# KiCad board panel.kicad_pcb (continued)
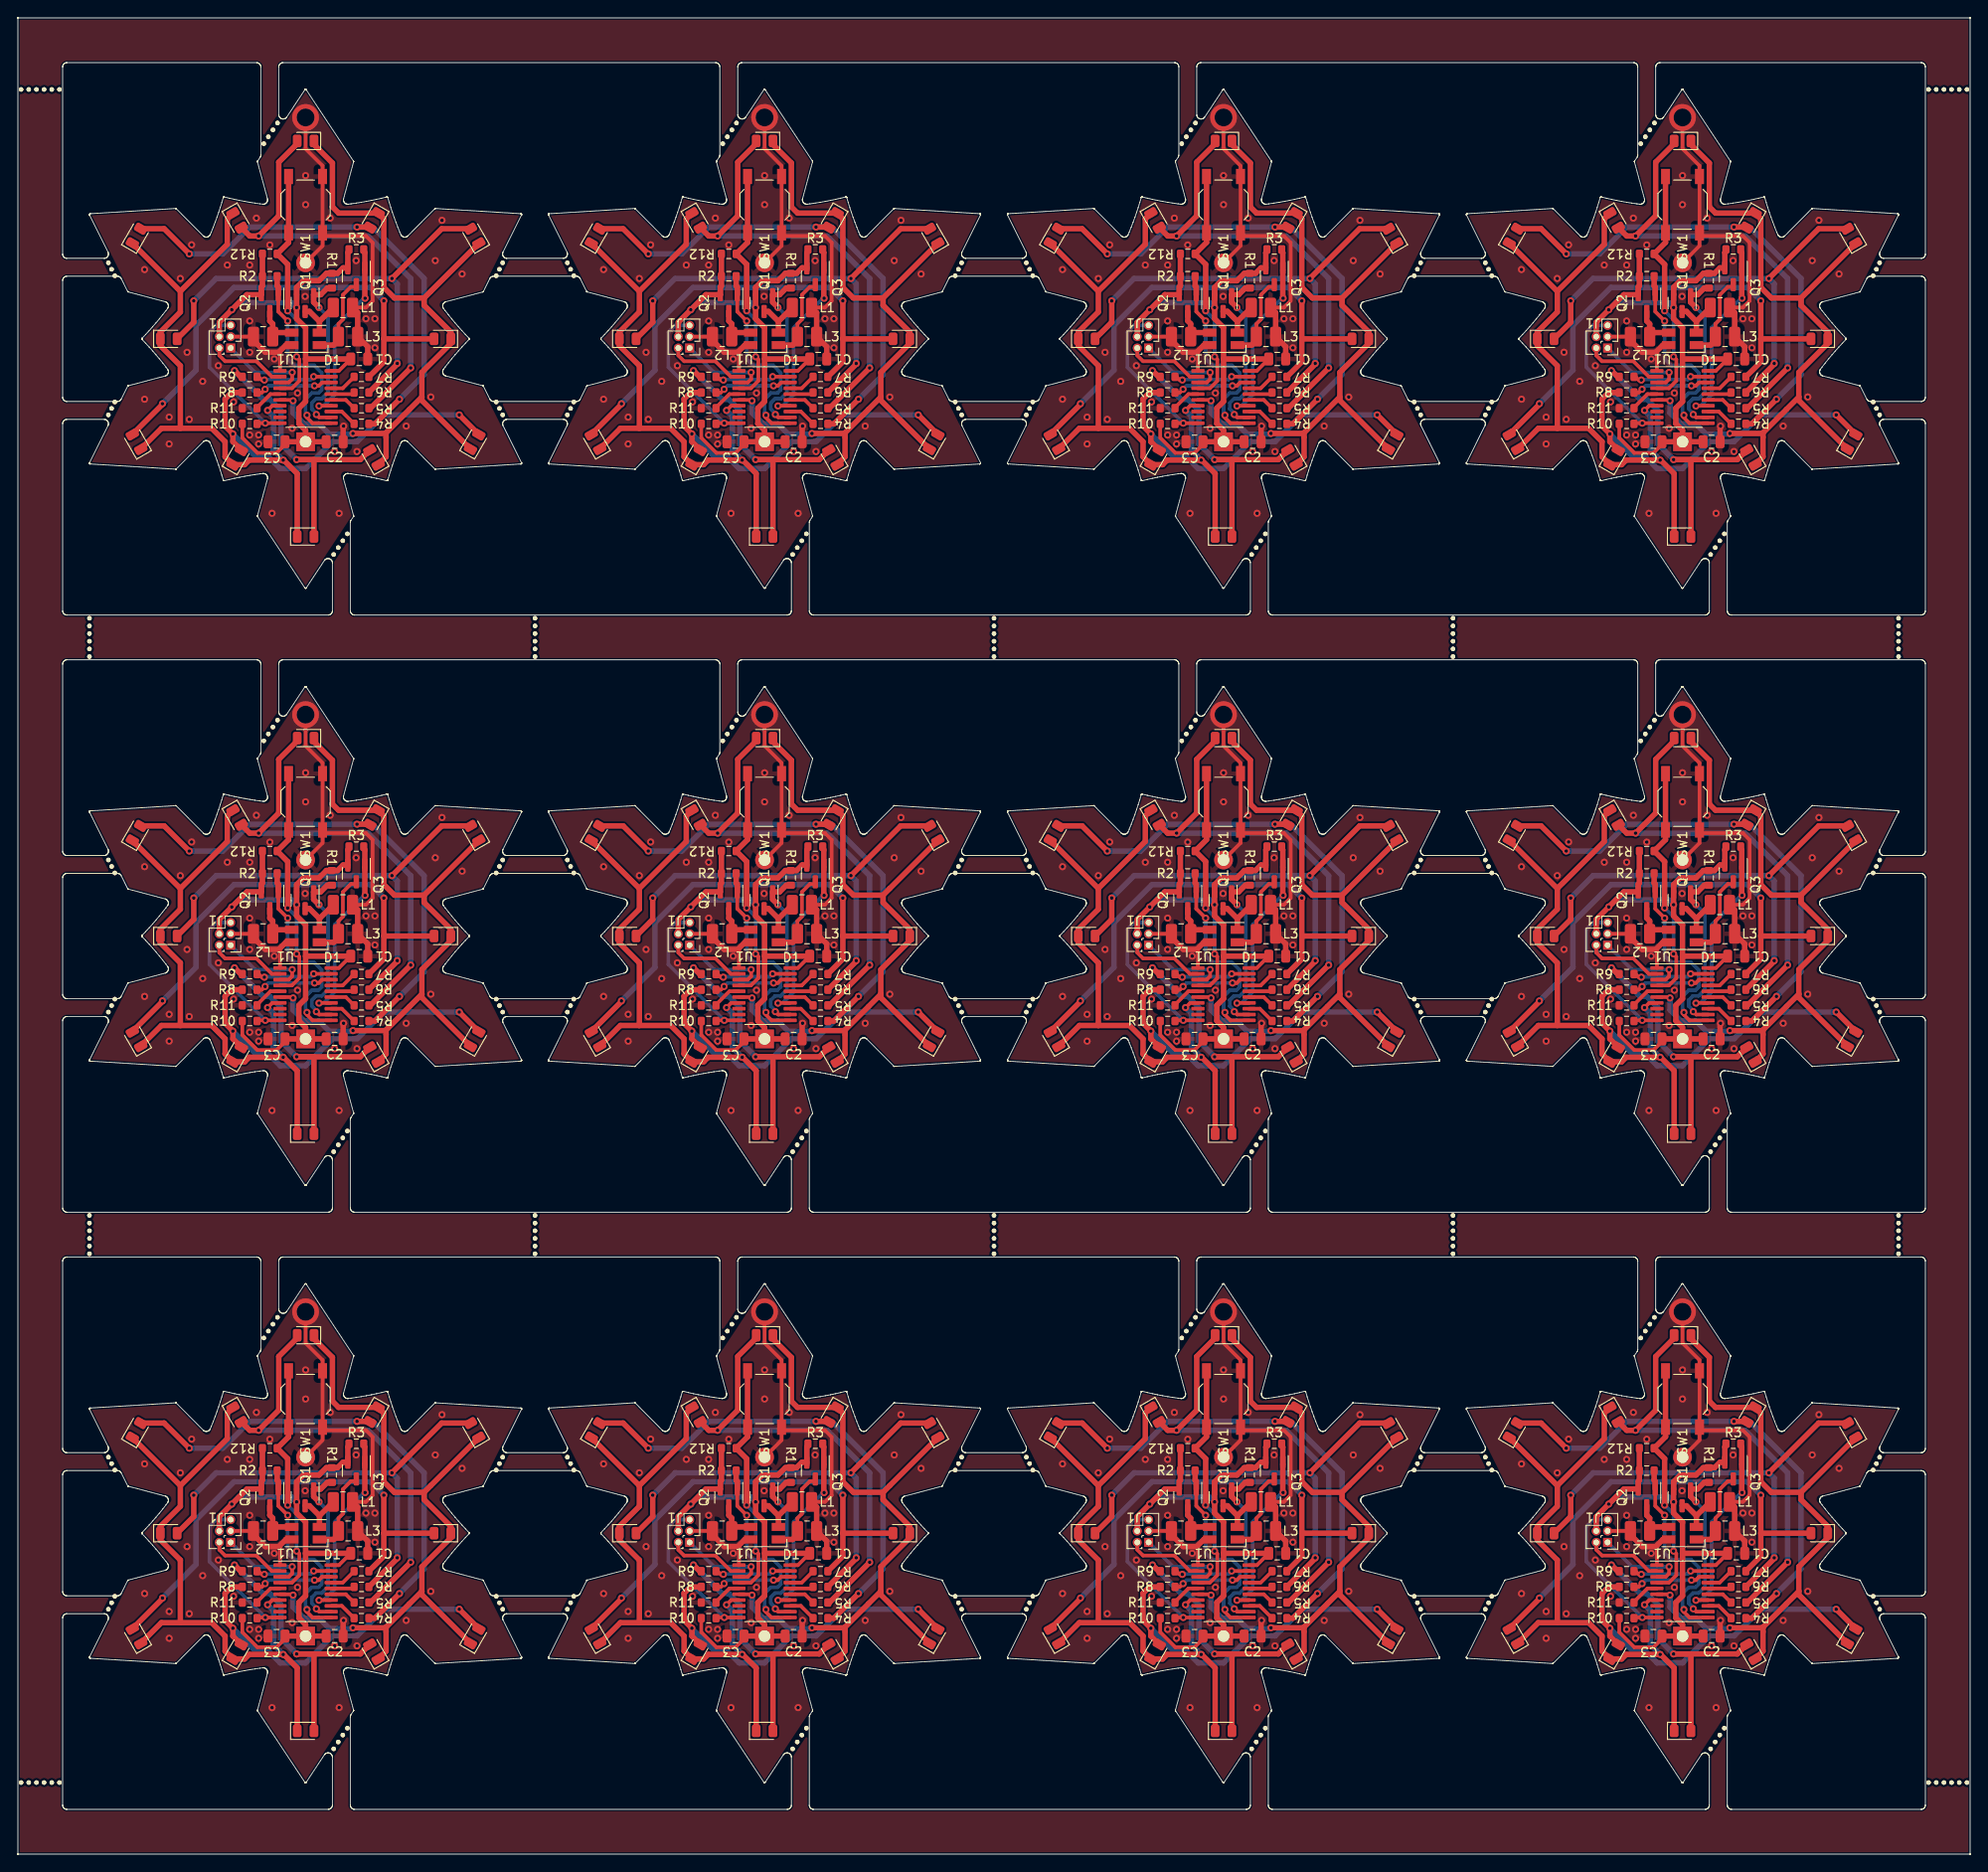
[diagram p0: board, top side]
## Nets (continued)
Board_6-/MPX1: D3#9.1 D5.1 D7#5.1 D9#6.1 D11#5.1 D13#6.1 U1#11.6
Board_6-/MPX2: D2.1 D4#11.1 D6#9.1 D8#2.1 D10#2.1 D12#4.1 U1#11.7
Board_6-/nRST: J1#9.5 R10#10.2 U1#11.10
Board_6-/R: Q2#11.1 R2#2.2 U1#11.11
Board_6-/SWC: J1#9.1 U1#11.3
Board_6-/SWD: J1#9.2 U1#11.2
Board_6-GND: BT1#5.2 C1#11.1 C2#10.2 C3#12.2 D1#5.1 J1#9.3 L1.2 L2.2 L3#9.2 R11#2.1 SW1#4.2 U1#11.1
Board_6-Net-(D1-BK): D1#5.4 L1.1 Q1#11.3
Board_6-Net-(D1-GK): D1#5.3 L3#9.1 Q3#5.3
Board_6-Net-(D1-RK): D1#5.2 L2.1 Q2#11.3
Board_6-Net-(D2-A): D2.2 D3#9.2 R4#11.1
Board_6-Net-(D4-A): D4#11.2 D5.2 R5#5.1
Board_6-Net-(D6-A): D6#9.2 D7#5.2 R6#7.1
Board_6-Net-(D8-A): D8#2.2 D9#6.2 R7#3.1
Board_6-Net-(D10-A): D10#2.2 D11#5.2 R8.1
Board_6-Net-(D12-A): D12#4.2 D13#6.2 R9#7.1
Board_6-Net-(SW1A-A): R12#7.1 SW1#4.1 U1#11.4
Board_6-Net-(U1-PB6/PF4-BOOT0): R11#2.2 U1#11.5
Board_6-unconnected-(U1-PF0-OSCIN-Pad8): U1#11.8
Board_6-unconnected-(U1-PF1-OSCOUT-Pad9): U1#11.9
Board_6-VCC: BT1#5.1 C1#11.2 C2#10.1 C3#12.1 J1#9.4 Q1#11.2 Q2#11.2 Q3#5.2 R1#6.1 R2#2.1 R3#4.1 R10#10.1 R12#7.2 U1#11.20
Board_7-/B: Q1#12.1 R1#5.2 U1#3.12
Board_7-/G: Q3#4.1 R3#11.2 U1#3.14
Board_7-/L1: R4#12.2 U1#3.13
Board_7-/L2: R5#9.2 U1#3.15
Board_7-/L3: R6#12.2 U1#3.16
Board_7-/L4: R7#10.2 U1#3.17
Board_7-/L5: R8#8.2 U1#3.18
Board_7-/L6: R9#6.2 U1#3.19
Board_7-/MPX1: D3.1 D5#4.1 D7#12.1 D9#4.1 D11#11.1 D13#4.1 U1#3.6
Board_7-/MPX2: D2#4.1 D4#9.1 D6#10.1 D8#5.1 D10#5.1 D12#3.1 U1#3.7
Board_7-/nRST: J1#2.5 R10#9.2 U1#3.10
Board_7-/R: Q2#4.1 R2#4.2 U1#3.11
Board_7-/SWC: J1#2.1 U1#3.3
Board_7-/SWD: J1#2.2 U1#3.2
Board_7-GND: BT1#3.2 C1.1 C2#5.2 C3#3.2 D1#10.1 J1#2.3 L1#6.2 L2#6.2 L3.2 R11#8.1 SW1.2 U1#3.1
Board_7-Net-(D1-BK): D1#10.4 L1#6.1 Q1#12.3
Board_7-Net-(D1-GK): D1#10.3 L3.1 Q3#4.3
Board_7-Net-(D1-RK): D1#10.2 L2#6.1 Q2#4.3
Board_7-Net-(D2-A): D2#4.2 D3.2 R4#12.1
Board_7-Net-(D4-A): D4#9.2 D5#4.2 R5#9.1
Board_7-Net-(D6-A): D6#10.2 D7#12.2 R6#12.1
Board_7-Net-(D8-A): D8#5.2 D9#4.2 R7#10.1
Board_7-Net-(D10-A): D10#5.2 D11#11.2 R8#8.1
Board_7-Net-(D12-A): D12#3.2 D13#4.2 R9#6.1
Board_7-Net-(SW1A-A): R12#8.1 SW1.1 U1#3.4
Board_7-Net-(U1-PB6/PF4-BOOT0): R11#8.2 U1#3.5
Board_7-unconnected-(U1-PF0-OSCIN-Pad8): U1#3.8
Board_7-unconnected-(U1-PF1-OSCOUT-Pad9): U1#3.9
Board_7-VCC: BT1#3.1 C1.2 C2#5.1 C3#3.1 J1#2.4 Q1#12.2 Q2#4.2 Q3#4.2 R1#5.1 R2#4.1 R3#11.1 R10#9.1 R12#8.2 U1#3.20
Board_8-/B: Q1#7.1 R1#8.2 U1.12
Board_8-/G: Q3#8.1 R3#3.2 U1.14
Board_8-/L1: R4#10.2 U1.13
Board_8-/L2: R5#3.2 U1.15
Board_8-/L3: R6#8.2 U1.16
Board_8-/L4: R7#8.2 U1.17
Board_8-/L5: R8#10.2 U1.18
Board_8-/L6: R9#5.2 U1.19
Board_8-/MPX1: D3#12.1 D5#12.1 D7#2.1 D9.1 D11#6.1 D13#7.1 U1.6
Board_8-/MPX2: D2#11.1 D4#2.1 D6#8.1 D8#8.1 D10#11.1 D12#2.1 U1.7
Board_8-/nRST: J1#8.5 R10.2 U1.10
Board_8-/R: Q2#6.1 R2#12.2 U1.11
Board_8-/SWC: J1#8.1 U1.3
Board_8-/SWD: J1#8.2 U1.2
Board_8-GND: BT1#10.2 C1#8.1 C2#4.2 C3#8.2 D1.1 J1#8.3 L1#11.2 L2#8.2 L3#11.2 R11#6.1 SW1#9.2 U1.1
Board_8-Net-(D1-BK): D1.4 L1#11.1 Q1#7.3
Board_8-Net-(D1-GK): D1.3 L3#11.1 Q3#8.3
Board_8-Net-(D1-RK): D1.2 L2#8.1 Q2#6.3
Board_8-Net-(D2-A): D2#11.2 D3#12.2 R4#10.1
Board_8-Net-(D4-A): D4#2.2 D5#12.2 R5#3.1
Board_8-Net-(D6-A): D6#8.2 D7#2.2 R6#8.1
Board_8-Net-(D8-A): D8#8.2 D9.2 R7#8.1
Board_8-Net-(D10-A): D10#11.2 D11#6.2 R8#10.1
Board_8-Net-(D12-A): D12#2.2 D13#7.2 R9#5.1
Board_8-Net-(SW1A-A): R12#5.1 SW1#9.1 U1.4
Board_8-Net-(U1-PB6/PF4-BOOT0): R11#6.2 U1.5
Board_8-unconnected-(U1-PF0-OSCIN-Pad8): U1.8
Board_8-unconnected-(U1-PF1-OSCOUT-Pad9): U1.9
Board_8-VCC: BT1#10.1 C1#8.2 C2#4.1 C3#8.1 J1#8.4 Q1#7.2 Q2#6.2 Q3#8.2 R1#8.1 R2#12.1 R3#3.1 R10.1 R12#5.2 U1.20
Board_9-/B: Q1#5.1 R1#12.2 U1#8.12
Board_9-/G: Q3#2.1 R3.2 U1#8.14
Board_9-/L1: R4#2.2 U1#8.13
Board_9-/L2: R5#7.2 U1#8.15
Board_9-/L3: R6#11.2 U1#8.16
Board_9-/L4: R7#12.2 U1#8.17
Board_9-/L5: R8#6.2 U1#8.18
Board_9-/L6: R9#4.2 U1#8.19
Board_9-/MPX1: D3#2.1 D5#2.1 D7#3.1 D9#11.1 D11#12.1 D13#9.1 U1#8.6
Board_9-/MPX2: D2#12.1 D4#12.1 D6#3.1 D8#12.1 D10#8.1 D12.1 U1#8.7
Board_9-/nRST: J1.5 R10#2.2 U1#8.10
Board_9-/R: Q2#10.1 R2#8.2 U1#8.11
Board_9-/SWC: J1.1 U1#8.3
Board_9-/SWD: J1.2 U1#8.2
Board_9-GND: BT1.2 C1#3.1 C2#9.2 C3#4.2 D1#9.1 J1.3 L1#9.2 L2#9.2 L3#4.2 R11#10.1 SW1#12.2 U1#8.1
Board_9-Net-(D1-BK): D1#9.4 L1#9.1 Q1#5.3
Board_9-Net-(D1-GK): D1#9.3 L3#4.1 Q3#2.3
Board_9-Net-(D1-RK): D1#9.2 L2#9.1 Q2#10.3
Board_9-Net-(D2-A): D2#12.2 D3#2.2 R4#2.1
Board_9-Net-(D4-A): D4#12.2 D5#2.2 R5#7.1
Board_9-Net-(D6-A): D6#3.2 D7#3.2 R6#11.1
Board_9-Net-(D8-A): D8#12.2 D9#11.2 R7#12.1
Board_9-Net-(D10-A): D10#8.2 D11#12.2 R8#6.1
Board_9-Net-(D12-A): D12.2 D13#9.2 R9#4.1
Board_9-Net-(SW1A-A): R12#9.1 SW1#12.1 U1#8.4
Board_9-Net-(U1-PB6/PF4-BOOT0): R11#10.2 U1#8.5
Board_9-unconnected-(U1-PF0-OSCIN-Pad8): U1#8.8
Board_9-unconnected-(U1-PF1-OSCOUT-Pad9): U1#8.9
Board_9-VCC: BT1.1 C1#3.2 C2#9.1 C3#4.1 J1.4 Q1#5.2 Q2#10.2 Q3#2.2 R1#12.1 R2#8.1 R3.1 R10#2.1 R12#9.2 U1#8.20
Board_10-/B: Q1#6.1 R1#10.2 U1#10.12
Board_10-/G: Q3#9.1 R3#5.2 U1#10.14
Board_10-/L1: R4#7.2 U1#10.13
Board_10-/L2: R5.2 U1#10.15
Board_10-/L3: R6#3.2 U1#10.16
Board_10-/L4: R7#2.2 U1#10.17
Board_10-/L5: R8#3.2 U1#10.18
Board_10-/L6: R9#12.2 U1#10.19
Board_10-/MPX1: D3#11.1 D5#3.1 D7#8.1 D9#12.1 D11#2.1 D13#10.1 U1#10.6
Board_10-/MPX2: D2#2.1 D4#4.1 D6#12.1 D8#6.1 D10.1 D12#6.1 U1#10.7
Board_10-/nRST: J1#10.5 R10#3.2 U1#10.10
Board_10-/R: Q2#5.1 R2#10.2 U1#10.11
Board_10-/SWC: J1#10.1 U1#10.3
Board_10-/SWD: J1#10.2 U1#10.2
Board_10-GND: BT1#2.2 C1#10.1 C2#8.2 C3.2 D1#3.1 J1#10.3 L1#7.2 L2#4.2 L3#12.2 R11#11.1 SW1#8.2 U1#10.1
Board_10-Net-(D1-BK): D1#3.4 L1#7.1 Q1#6.3
Board_10-Net-(D1-GK): D1#3.3 L3#12.1 Q3#9.3
Board_10-Net-(D1-RK): D1#3.2 L2#4.1 Q2#5.3
Board_10-Net-(D2-A): D2#2.2 D3#11.2 R4#7.1
Board_10-Net-(D4-A): D4#4.2 D5#3.2 R5.1
Board_10-Net-(D6-A): D6#12.2 D7#8.2 R6#3.1
Board_10-Net-(D8-A): D8#6.2 D9#12.2 R7#2.1
Board_10-Net-(D10-A): D10.2 D11#2.2 R8#3.1
Board_10-Net-(D12-A): D12#6.2 D13#10.2 R9#12.1
Board_10-Net-(SW1A-A): R12#11.1 SW1#8.1 U1#10.4
Board_10-Net-(U1-PB6/PF4-BOOT0): R11#11.2 U1#10.5
Board_10-unconnected-(U1-PF0-OSCIN-Pad8): U1#10.8
Board_10-unconnected-(U1-PF1-OSCOUT-Pad9): U1#10.9
Board_10-VCC: BT1#2.1 C1#10.2 C2#8.1 C3.1 J1#10.4 Q1#6.2 Q2#5.2 Q3#9.2 R1#10.1 R2#10.1 R3#5.1 R10#3.1 R12#11.2 U1#10.20
Board_11-/B: Q1.1 R1#9.2 U1#4.12
Board_11-/G: Q3#12.1 R3#2.2 U1#4.14
Board_11-/L1: R4#4.2 U1#4.13
Board_11-/L2: R5#2.2 U1#4.15
Board_11-/L3: R6#6.2 U1#4.16
Board_11-/L4: R7#6.2 U1#4.17
Board_11-/L5: R8#2.2 U1#4.18
Board_11-/L6: R9#3.2 U1#4.19
Board_11-/MPX1: D3#10.1 D5#11.1 D7#7.1 D9#7.1 D11#9.1 D13.1 U1#4.6
Board_11-/MPX2: D2#10.1 D4#8.1 D6#2.1 D8.1 D10#9.1 D12#12.1 U1#4.7
Board_11-/nRST: J1#7.5 R10#5.2 U1#4.10
Board_11-/R: Q2#7.1 R2#7.2 U1#4.11
Board_11-/SWC: J1#7.1 U1#4.3
Board_11-/SWD: J1#7.2 U1#4.2
Board_11-GND: BT1#9.2 C1#9.1 C2#12.2 C3#7.2 D1#4.1 J1#7.3 L1#10.2 L2#7.2 L3#8.2 R11#12.1 SW1#11.2 U1#4.1
Board_11-Net-(D1-BK): D1#4.4 L1#10.1 Q1.3
Board_11-Net-(D1-GK): D1#4.3 L3#8.1 Q3#12.3
Board_11-Net-(D1-RK): D1#4.2 L2#7.1 Q2#7.3
Board_11-Net-(D2-A): D2#10.2 D3#10.2 R4#4.1
Board_11-Net-(D4-A): D4#8.2 D5#11.2 R5#2.1
Board_11-Net-(D6-A): D6#2.2 D7#7.2 R6#6.1
Board_11-Net-(D8-A): D8.2 D9#7.2 R7#6.1
Board_11-Net-(D10-A): D10#9.2 D11#9.2 R8#2.1
Board_11-Net-(D12-A): D12#12.2 D13.2 R9#3.1
Board_11-Net-(SW1A-A): R12.1 SW1#11.1 U1#4.4
Board_11-Net-(U1-PB6/PF4-BOOT0): R11#12.2 U1#4.5
Board_11-unconnected-(U1-PF0-OSCIN-Pad8): U1#4.8
Board_11-unconnected-(U1-PF1-OSCOUT-Pad9): U1#4.9
Board_11-VCC: BT1#9.1 C1#9.2 C2#12.1 C3#7.1 J1#7.4 Q1.2 Q2#7.2 Q3#12.2 R1#9.1 R2#7.1 R3#2.1 R10#5.1 R12.2 U1#4.20

## Via types
v1: diameter 0.8, hole 0.4, Top to Bottom, 900 vias
v2: diameter 3, hole 2, Top to Bottom, 12 vias

## Routing (per net, layer and track width the routed paths; a pad name or vN(x,y) marks a point on that pad's centre or on a via; arc(x,y) is an arc through that point)
Board_0-/B: length 19.5
  Top w0.406: U1#6.12 33.69,160.61 v1(33.37,160.93)
  Top w0.61: v1(33.66,172.89) 33.06,173.49 Q1#2.1 33.85,174.32 34.59,175.06 R1#4.2
  Bottom w0.406: v1(33.37,160.93) 33.37,161.04 32.86,161.55 32.86,162.22 33.33,162.69 33.97,162.69 34.66,163.39 34.66,171.89 v1(33.66,172.89)
Board_0-/G: length 21.3
  Top w0.406: U1#6.14 33.69,161.91 v1(33.66,161.89) ; 38.72,177.14 38.79,177.07
  Top w0.61: v1(38.82,173.93) 38.79,173.96 38.79,179.01 38.66,179.14
  Bottom w0.406: v1(33.66,161.89) 34.16,161.89 35.41,163.14 35.41,170.64 38.7,173.93 v1(38.82,173.93)
Board_0-/L1: length 3.1
  Top w0.406: R4#5.2 36.21,161.26 U1#6.13
Board_0-/L2: length 2.9
  Top w0.406: U1#6.15 36.66,162.56 R5#11.2
Board_0-/L3: length 2.6
  Top w0.406: R6#4.2 37.41,163.21 U1#6.16
Board_0-/L4: length 3.1
  Top w0.406: R7#11.2 36.31,163.86 U1#6.17
Board_0-/L5: length 8.8
  Top w0.406: v1(33.16,164.14) 33.64,164.14 34.01,164.51 U1#6.18 ; v1(27.64,163.75) 27.28,163.39 R8#12.2
  Bottom w0.406: v1(27.64,163.75) 28.03,164.14 v1(33.16,164.14)
Board_0-/L6: length 8.6
  Top w0.406: R9.2 26.91,165.14 27.26,164.78 v1(27.55,164.78) ; v1(33.07,165.16) U1#6.19
  Bottom w0.406: v1(33.07,165.16) 32.74,164.83 27.6,164.83 v1(27.55,164.78)
Board_0-/MPX1: length 81.4
  Top w0.406: v1(30.76,162.47) 30.67,162.56 U1#6.6
  Top w0.61: D13#2.1 41.16,156.2 41.16,158.89 ; 41.16,158.89 45.16,162.89 ; 41.16,158.89 41.09,158.81 v1(37.46,158.81) ; 45.41,173.95 D7#6.1 ; 45.41,173.95 42.09,173.95 40.91,175.14 40.91,182.82 D3#5.1 35.85,183.45 35.16,184.14 35.16,189.04 33.1,191.1 D5#8.1 ; 45.41,173.95 45.41,173.14 48.4,170.15 D9#10.1 48.4,168.87 45.16,165.64 45.16,162.89 ; D11#4.1 45.16,162.5 45.16,162.89
  Bottom w0.61: v1(30.76,162.47) 30.76,161.12 32,159.89 33.66,159.89 34.82,158.73 37.38,158.73 v1(37.46,158.81)
Board_0-/MPX2: length 72.8
  Top w0.406: U1#6.7 28.44,161.91 v1(27.91,161.39)
  Top w0.61: 18.16,174.7 23.41,179.95 23.41,182.82 D4#6.1 ; 18.16,174.7 18.16,172.39 15.92,170.15 D6#4.1 15.92,168.62 18.16,166.39 18.16,159.39 ; 18.16,174.7 D2#7.1 ; D8#10.1 16.04,159.39 18.16,159.39 ; 18.16,159.39 21.66,159.39 23.16,157.89 23.16,156.2 D10#4.1 25.35,155.32 25.86,155.83 v1(29.66,155.83) 29.71,155.83 31.22,154.32 D12#9.1
  Bottom w0.61: v1(29.66,155.83) 28.57,156.93 28.57,160.73 v1(27.91,161.39)
Board_0-/nRST: length 18
  Top w0.406: U1#6.10 26.81,159.96 R10#6.2
  Bottom w0.406: v1(27.66,159.96) 21.41,166.21 21.41,170.14 22.18,170.9 J1#12.5
Board_0-/R: length 23.4
  Top w0.406: U1#6.11 32.94,159.96 32.32,160.58 v1(32.32,160.85) ; Q2#2.1 29.11,172.44 v1(30.16,171.39)
  Top w0.61: Q2#2.1 29.11,175.19 28.99,175.31 R2#3.2
  Bottom w0.406: v1(30.16,171.39) 30.16,167.14 30.86,166.44 33.11,166.44 33.97,165.58 33.97,163.69 33.61,163.33 32.86,163.33 32.16,162.64 32.16,161.16 32.32,161.01 v1(32.32,160.85)
Board_0-/SWC: length 10.3
  Top w0.406: U1#6.3 30.29,164.51 30.66,164.89 v1(30.66,165.64)
  Bottom w0.406: v1(30.66,165.64) 26.51,165.64 J1#12.1
Board_0-/SWD: length 8.6
  Top w0.406: J1#12.2 22.52,167.53 23.16,166.89 26.66,166.89 28.39,165.16 U1#6.2
Board_0-GND: length 51.4
  Top w0.406: L2#5.2 26.33,169.63 J1#12.3 ; BT1#8.2 34.06,179.79 SW1#2.2 ; v2(32.16,194.14) 32.16,190.64 34.06,188.74 SW1#2.2 SW1#2.2 ; SW1#2.2 34.41,180.89 38.91,180.89 39.66,180.14 39.66,173.64 38.91,172.89 L1#8.2 ; 29.16,167.89 29.3,167.75 U1#6.1
  Top w0.61: D1#7.1 29.96,168.69 29.16,167.89 27.66,167.89 26.34,169.21 L2#5.2 ; C1#6.1 39.11,168.51 L3#5.2 37.99,172.31 L1#8.2 ; v1(36.41,159.64) 36.36,159.59 C2#11.2
  vias: v1(14.16,177.14) v1(14.16,162.64) v1(16.91,160.64) v1(16.91,157.64) v1(18.16,176.14) v1(18.91,167.89) v1(19.16,160.39) v1(19.43,179.9) v1(20.66,164.64) v1(22.41,166.39) v1(23.41,177.64) v1(24.11,162.34) v1(25.91,177.64) v1(25.91,171.39) v1(25.91,167.89) v1(25.91,158.64) v1(26.66,182.89) v1(26.91,158.64) v1(26.91,157.64) v1(28.16,179.89) v1(28.41,149.89) v1(28.66,167.14) v1(30.66,159.39) v1(31.26,163.33) v1(32.16,187.64) v1(32.16,184.39) v1(32.11,174.14) v1(34.91,182.89) v1(35.41,156.79) v1(35.91,149.89) v1(37.81,178.14) v1(37.91,156.79) v1(38.91,171.64) v1(39.91,171.64) v1(39.91,168.39) v1(43.41,159.64) v1(46.16,162.89) v1(46.66,178.14) v1(47.41,182.64) v1(49.66,176.64)
Board_0-Net-(D1-BK): length 5.5
  Top w0.61: D1#7.4 33.71,171.34 ; 33.71,171.34 L1#8.1 ; 33.71,171.34 32.6,172.45 Q1#2.3
Board_0-Net-(D1-GK): length 9.5
  Top w0.406: 37.84,175.2 37.22,175.2 36.34,174.31 36.34,171.56 35.84,171.06 L3#5.1
  Top w0.61: D1#7.3 35.3,168.69 35.84,169.22 L3#5.1
Board_0-Net-(D1-RK): length 5.3
  Top w0.61: D1#7.2 28.94,170.09 L2#5.1 28.49,171.06 28.16,171.39 Q2#2.3
Board_0-Net-(D2-A): length 57
  Top w0.61: v1(37.91,181.89) 39.28,181.89 D3#5.2 ; R4#5.1 39.91,159.89 v1(42.66,162.64) ; D2#7.2 16.35,181.7 v1(19.16,178.89)
  Bottom w0.61: v1(19.16,178.89) 22.91,178.89 25.91,181.89 v1(37.91,181.89) 39.66,181.89 45.41,176.14 45.41,165.39 42.72,162.69
Board_0-Net-(D4-A): length 50.2
  Top w0.61: R5#11.1 39.41,161.64 v1(43.91,166.14) ; D5#8.2 31.22,191.2 29.16,189.14 29.16,183.14 v1(26.91,180.89) 25.92,180.89 D4#6.2
  Bottom w0.61: v1(43.91,166.14) 43.91,176.14 39.16,180.89 v1(26.91,180.89)
Board_0-Net-(D6-A): length 53.6
  Top w0.61: R6#4.1 42.41,166.56 v1(42.41,166.64) ; D7#6.2 47.38,181.7 v1(41.82,176.14) ; D6#4.2 19.66,171.25 v1(19.66,173.64)
  Bottom w0.61: v1(19.66,173.64) 22.16,176.14 v1(41.82,176.14) 42.41,175.54 v1(42.41,166.64)
Board_0-Net-(D8-A): length 53.3
  Top w0.61: D8#10.2 16.16,162.07 ; 40.91,169.39 40.91,166.81 R7#11.1 ; 40.91,169.39 D9#10.2 ; 40.91,169.39 v1(40.91,173.64)
  Bottom w0.61: v1(16.16,162.14) 19.91,165.89 19.91,170.89 24.16,175.14 39.41,175.14 v1(40.91,173.64)
Board_0-Net-(D10-A): length 41.2
  Top w0.61: v1(49.34,160.89) D11#4.2 ; D10#4.2 24.04,157.89 v1(24.04,158.76) 23.16,159.64 23.16,162.67 23.88,163.39 R8#12.1
  Bottom w0.61: v1(24.04,158.76) 26.66,156.14 28.08,156.14 29.33,154.89 32.16,154.89 35.18,157.91 37.93,157.91 40.91,160.89 v1(49.34,160.89)
Board_0-Net-(D12-A): length 33.6
  Top w0.61: D12#9.2 33.1,155.89 v1(31.16,155.89) 38.28,155.89 D13#2.2 ; R9.1 24.91,165.14 v1(24.21,165.84)
  Bottom w0.61: v1(24.21,165.84) 27.41,162.64 28.16,162.64 29.41,161.39 29.41,157.64 v1(31.16,155.89)
Board_0-Net-(SW1A-A): length 26.9
  Top w0.406: U1#6.4 30.64,163.86 31.47,164.69 31.47,167.08 v1(31.16,167.39)
  Top w0.61: SW1#2.1 SW1#2.1 30.26,180.16 R12#4.1 30.16,177.71 v1(30.16,172.52)
  Bottom w0.406: v1(30.16,172.52) 31.16,171.52 v1(31.16,167.39)
Board_0-Net-(U1-PB6/PF4-BOOT0): length 3.3
  Top w0.406: U1#6.5 28.24,163.21 26.74,161.71 R11#3.2
Board_0-VCC: length 67.1
  Top w0.406: R10#6.1 25.09,158.32 26.78,156.64 28.91,156.64 29.86,157.59 C3#5.1 ; C1#6.2 35.89,165.81 U1#6.20
  Top w0.61: R12#4.2 R2#3.1 27.34,175.31 27.21,175.19 Q2#2.2 25.6,174.32 22.52,171.24 J1#12.4 ; BT1#8.1 32.16,159.17 31.41,159.92 31.41,161.64 32.16,162.39 32.16,167.14 ; BT1#8.1 C2#11.1 ; BT1#8.1 C3#5.1 ; 37.01,179.14 36.89,179.01 36.89,177.07 ; 32.16,167.14 32.16,170.64 31.16,171.64 Q1#2.2 31.16,175.14 31.91,175.89 33.66,175.89 34.49,176.71 R1#4.1 35.74,176.71 36.35,177.32 Q3.2 ; 32.16,167.14 C1#6.2
  Bottom w0.61: v1(23.91,172.64) 24.7,173.43 30.62,173.43 v1(31.16,172.89)
Board_1-/B: length 19.5
  Top w0.406: U1#7.12 85,160.61 v1(84.68,160.93)
  Top w0.61: v1(84.97,172.89) 84.37,173.49 Q1#8.1 85.16,174.32 85.9,175.06 R1#7.2
  Bottom w0.406: v1(84.68,160.93) 84.68,161.04 84.17,161.55 84.17,162.22 84.64,162.69 85.28,162.69 85.97,163.39 85.97,171.89 v1(84.97,172.89)
Board_1-/G: length 21.3
  Top w0.406: v1(84.97,161.89) 85,161.91 U1#7.14 ; 90.04,177.14 90.1,177.07
  Top w0.61: 89.97,179.14 90.1,179.01 90.1,173.96 v1(90.13,173.93)
  Bottom w0.406: v1(90.13,173.93) 90.02,173.93 86.72,170.64 86.72,163.14 85.47,161.89 v1(84.97,161.89)
Board_1-/L1: length 3.1
  Top w0.406: R4#8.2 87.52,161.26 U1#7.13
Board_1-/L2: length 2.9
  Top w0.406: U1#7.15 87.97,162.56 R5#10.2
Board_1-/L3: length 2.6
  Top w0.406: R6#2.2 88.72,163.21 U1#7.16
Board_1-/L4: length 3.1
  Top w0.406: R7#4.2 87.62,163.86 U1#7.17
Board_1-/L5: length 8.8
  Top w0.406: v1(78.95,163.75) 78.59,163.39 R8#9.2 ; U1#7.18 85.32,164.51 84.95,164.14 v1(84.47,164.14)
  Bottom w0.406: v1(78.95,163.75) 79.34,164.14 v1(84.47,164.14)
Board_1-/L6: length 8.6
  Top w0.406: R9#2.2 78.22,165.14 78.58,164.78 v1(78.87,164.78) ; v1(84.38,165.16) U1#7.19
  Bottom w0.406: v1(84.38,165.16) 84.05,164.83 78.91,164.83 v1(78.87,164.78)
Board_1-/MPX1: length 81.4
  Top w0.406: U1#7.6 81.98,162.56 v1(82.07,162.47)
  Top w0.61: 96.47,162.89 92.47,158.89 ; 96.47,162.89 96.47,162.5 D11#3.1 ; 96.47,162.89 96.47,165.64 99.71,168.87 D9#3.1 99.71,170.15 96.72,173.14 96.72,173.95 ; D7.1 96.72,173.95 ; D13#11.1 92.47,156.2 92.47,158.89 ; 96.72,173.95 93.4,173.95 92.22,175.14 92.22,182.82 D3#4.1 87.16,183.45 86.47,184.14 86.47,189.04 84.41,191.1 D5#5.1 ; 92.47,158.89 92.4,158.81 v1(88.77,158.81)
  Bottom w0.61: v1(82.07,162.47) 82.07,161.12 83.31,159.89 84.97,159.89 86.13,158.73 88.69,158.73 v1(88.77,158.81)
Board_1-/MPX2: length 72.8
  Top w0.406: v1(79.22,161.39) 79.75,161.91 U1#7.7
  Top w0.61: 69.47,159.39 67.35,159.39 D8#3.1 ; 69.47,159.39 72.97,159.39 74.47,157.89 74.47,156.2 D10#10.1 76.66,155.32 77.17,155.83 v1(80.97,155.83) 81.03,155.83 82.54,154.32 D12#11.1 ; 69.47,159.39 69.47,166.39 67.24,168.62 D6#6.1 67.24,170.15 69.47,172.39 69.47,174.7 ; 69.47,174.7 74.72,179.95 74.72,182.82 D4#5.1 ; 69.47,174.7 D2#6.1
  Bottom w0.61: v1(80.97,155.83) 79.88,156.93 79.88,160.73 v1(79.22,161.39)
Board_1-/nRST: length 18
  Top w0.406: R10#12.2 78.12,159.96 U1#7.10
  Bottom w0.406: v1(78.97,159.96) 72.72,166.21 72.72,170.14 73.49,170.9 J1#6.5
Board_1-/R: length 23.4
  Top w0.406: U1#7.11 84.25,159.96 83.63,160.58 v1(83.63,160.85) ; Q2.1 80.42,172.44 v1(81.47,171.39)
  Top w0.61: Q2.1 80.42,175.19 80.3,175.31 R2.2
  Bottom w0.406: v1(81.47,171.39) 81.47,167.14 82.17,166.44 84.42,166.44 85.28,165.58 85.28,163.69 84.92,163.33 84.17,163.33 83.47,162.64 83.47,161.16 83.63,161.01 v1(83.63,160.85)
Board_1-/SWC: length 10.3
  Top w0.406: U1#7.3 81.6,164.51 81.97,164.89 v1(81.97,165.64)
  Bottom w0.406: J1#6.1 77.82,165.64 v1(81.97,165.64)
Board_1-/SWD: length 8.6
  Top w0.406: J1#6.2 73.83,167.53 74.47,166.89 77.97,166.89 79.7,165.16 U1#7.2
Board_1-GND: length 51.4
  Top w0.406: L2#2.2 77.64,169.63 J1#6.3 ; SW1#7.2 SW1#7.2 85.37,188.74 83.47,190.64 v2(83.47,194.14) ; SW1#7.2 85.72,180.89 90.22,180.89 90.97,180.14 90.97,173.64 90.22,172.89 L1#12.2 ; SW1#7.2 85.37,179.79 BT1#7.2 ; 80.47,167.89 80.61,167.75 U1#7.1
  Top w0.61: v1(87.72,159.64) 87.67,159.59 C2#7.2 ; C1#7.1 90.42,168.51 L3#10.2 89.3,172.31 L1#12.2 ; L2#2.2 77.65,169.21 78.97,167.89 80.47,167.89 81.27,168.69 D1#8.1
  vias: v1(65.47,177.14) v1(65.47,162.64) v1(68.22,160.64) v1(68.22,157.64) v1(69.47,176.14) v1(70.22,167.89) v1(70.47,160.39) v1(70.74,179.9) v1(71.97,164.64) v1(73.72,166.39) v1(74.72,177.64) v1(75.42,162.34) v1(77.22,177.64) v1(77.22,171.39) v1(77.22,167.89) v1(77.22,158.64) v1(77.97,182.89) v1(78.22,158.64) v1(78.22,157.64) v1(79.47,179.89) v1(79.72,149.89) v1(79.97,167.14) v1(81.97,159.39) v1(82.57,163.33) v1(83.42,174.14) v1(83.47,187.64) v1(83.47,184.39) v1(86.22,182.89) v1(86.72,156.79) v1(87.22,149.89) v1(89.12,178.14) v1(89.22,156.79) v1(90.22,171.64) v1(91.22,171.64) v1(91.22,168.39) v1(94.72,159.64) v1(97.47,162.89) v1(97.97,178.14) v1(98.72,182.64) v1(100.97,176.64)
Board_1-Net-(D1-BK): length 5.5
  Top w0.61: 85.02,171.34 L1#12.1 ; 85.02,171.34 83.91,172.45 Q1#8.3 ; 85.02,171.34 D1#8.4
Board_1-Net-(D1-GK): length 9.5
  Top w0.406: 89.15,175.2 88.54,175.2 87.65,174.31 87.65,171.56 87.15,171.06 L3#10.1
  Top w0.61: D1#8.3 86.61,168.69 87.15,169.22 L3#10.1
Board_1-Net-(D1-RK): length 5.3
  Top w0.61: D1#8.2 80.25,170.09 L2#2.1 79.8,171.06 79.47,171.39 Q2.3
Board_1-Net-(D2-A): length 57
  Top w0.61: D3#4.2 90.59,181.89 v1(89.22,181.89) ; R4#8.1 91.22,159.89 v1(93.97,162.64) ; v1(70.47,178.89) 67.66,181.7 D2#6.2
  Bottom w0.61: 94.03,162.69 96.72,165.39 96.72,176.14 90.97,181.89 v1(89.22,181.89) 77.22,181.89 74.22,178.89 v1(70.47,178.89)
Board_1-Net-(D4-A): length 50.2
  Top w0.61: D5#5.2 82.54,191.2 80.47,189.14 80.47,183.14 v1(78.22,180.89) 77.23,180.89 D4#5.2 ; v1(95.22,166.14) 90.72,161.64 R5#10.1
  Bottom w0.61: v1(95.22,166.14) 95.22,176.14 90.47,180.89 v1(78.22,180.89)
Board_1-Net-(D6-A): length 53.6
  Top w0.61: D6#6.2 70.97,171.25 v1(70.97,173.64) ; D7.2 98.69,181.7 v1(93.13,176.14) ; R6#2.1 93.72,166.56 v1(93.72,166.64)
  Bottom w0.61: v1(93.72,166.64) 93.72,175.54 v1(93.13,176.14) 73.47,176.14 v1(70.97,173.64)
Board_1-Net-(D8-A): length 53.3
  Top w0.61: D8#3.2 67.47,162.07 ; 92.22,169.39 92.22,166.81 R7#4.1 ; 92.22,169.39 v1(92.22,173.64) ; 92.22,169.39 D9#3.2
  Bottom w0.61: v1(67.47,162.14) 71.22,165.89 71.22,170.89 75.47,175.14 90.72,175.14 v1(92.22,173.64)
Board_1-Net-(D10-A): length 41.2
  Top w0.61: D10#10.2 75.35,157.89 v1(75.35,158.76) 74.47,159.64 74.47,162.67 75.19,163.39 R8#9.1 ; v1(100.65,160.89) D11#3.2
  Bottom w0.61: v1(75.35,158.76) 77.97,156.14 79.39,156.14 80.64,154.89 83.47,154.89 86.49,157.91 89.24,157.91 92.22,160.89 v1(100.65,160.89)
Board_1-Net-(D12-A): length 33.6
  Top w0.61: R9#2.1 76.22,165.14 v1(75.52,165.84) ; D12#11.2 84.41,155.89 v1(82.47,155.89) 89.59,155.89 D13#11.2
  Bottom w0.61: v1(82.47,155.89) 80.72,157.64 80.72,161.39 79.47,162.64 78.72,162.64 v1(75.52,165.84)
Board_1-Net-(SW1A-A): length 26.9
  Top w0.406: U1#7.4 81.95,163.86 82.78,164.69 82.78,167.08 v1(82.47,167.39)
  Top w0.61: v1(81.47,172.52) 81.47,177.71 R12#2.1 81.57,180.16 SW1#7.1 SW1#7.1
  Bottom w0.406: v1(81.47,172.52) 82.47,171.52 v1(82.47,167.39)
Board_1-Net-(U1-PB6/PF4-BOOT0): length 3.3
  Top w0.406: U1#7.5 79.55,163.21 78.05,161.71 R11#5.2
Board_1-VCC: length 67.1
  Top w0.406: U1#7.20 87.2,165.81 C1#7.2 ; C3#10.1 81.17,157.59 80.22,156.64 78.09,156.64 76.4,158.32 R10#12.1
  Top w0.61: 83.47,167.14 83.47,170.64 82.47,171.64 Q1#8.2 82.47,175.14 83.22,175.89 84.97,175.89 85.8,176.71 R1#7.1 87.05,176.71 87.66,177.32 Q3#6.2 ; 83.47,167.14 83.47,162.39 82.72,161.64 82.72,159.92 83.47,159.17 BT1#7.1 ; 83.47,167.14 C1#7.2 ; BT1#7.1 C2#7.1 ; BT1#7.1 C3#10.1 ; J1#6.4 73.83,171.24 76.91,174.32 Q2.2 78.52,175.19 78.65,175.31 R2.1 R12#2.2 ; 88.32,179.14 88.2,179.01 88.2,177.07
  Bottom w0.61: v1(75.22,172.64) 76.01,173.43 81.93,173.43 v1(82.47,172.89)
Board_2-/B: length 19.5
  Top w0.406: U1#9.12 136.31,160.61 v1(135.99,160.93)
  Top w0.61: R1#3.2 137.21,175.06 136.47,174.32 Q1#4.1 135.69,173.49 v1(136.29,172.89)
  Bottom w0.406: v1(135.99,160.93) 135.99,161.04 135.48,161.55 135.48,162.22 135.95,162.69 136.59,162.69 137.29,163.39 137.29,171.89 v1(136.29,172.89)
Board_2-/G: length 21.3
  Top w0.406: 141.35,177.14 141.41,177.07 ; v1(136.29,161.89) 136.31,161.91 U1#9.14
  Top w0.61: v1(141.44,173.93) 141.41,173.96 141.41,179.01 141.29,179.14
  Bottom w0.406: v1(141.44,173.93) 141.33,173.93 138.04,170.64 138.04,163.14 136.79,161.89 v1(136.29,161.89)
Board_2-/L1: length 3.1
  Top w0.406: R4#6.2 138.84,161.26 U1#9.13
Board_2-/L2: length 2.9
  Top w0.406: U1#9.15 139.29,162.56 R5#8.2
Board_2-/L3: length 2.6
  Top w0.406: U1#9.16 140.04,163.21 R6#9.2
Board_2-/L4: length 3.1
  Top w0.406: U1#9.17 138.94,163.86 R7.2
Board_2-/L5: length 8.8
  Top w0.406: R8#5.2 129.9,163.39 v1(130.26,163.75) ; v1(135.79,164.14) 136.26,164.14 136.64,164.51 U1#9.18
  Bottom w0.406: v1(130.26,163.75) 130.65,164.14 v1(135.79,164.14)
Board_2-/L6: length 8.6
  Top w0.406: v1(135.69,165.16) U1#9.19 ; v1(130.18,164.78) 129.89,164.78 129.54,165.14 R9#8.2
  Bottom w0.406: v1(130.18,164.78) 130.23,164.83 135.36,164.83 v1(135.69,165.16)
Board_2-/MPX1: length 81.4
  Top w0.406: v1(133.39,162.47) 133.29,162.56 U1#9.6
  Top w0.61: 143.79,158.89 143.71,158.81 v1(140.09,158.81) ; 143.79,158.89 143.79,156.2 D13#12.1 ; 143.79,158.89 147.79,162.89 ; 148.04,173.95 148.04,173.14 151.02,170.15 D9#8.1 151.02,168.87 147.79,165.64 147.79,162.89 ; 148.04,173.95 144.72,173.95 143.54,175.14 143.54,182.82 D3#6.1 138.47,183.45 137.79,184.14 137.79,189.04 135.72,191.1 D5#10.1 ; 148.04,173.95 D7#10.1 ; 147.79,162.89 147.79,162.5 D11#7.1
  Bottom w0.61: v1(133.39,162.47) 133.39,161.12 134.62,159.89 136.29,159.89 137.44,158.73 140.01,158.73 v1(140.09,158.81)
Board_2-/MPX2: length 72.8
  Top w0.406: U1#9.7 131.06,161.91 v1(130.54,161.39)
  Top w0.61: 120.79,159.39 118.67,159.39 D8#9.1 ; 120.79,159.39 124.29,159.39 125.79,157.89 125.79,156.2 D10#7.1 127.97,155.32 128.48,155.83 v1(132.29,155.83) 132.34,155.83 133.85,154.32 D12#7.1 ; 120.79,159.39 120.79,166.39 118.55,168.62 D6#5.1 118.55,170.15 120.79,172.39 120.79,174.7 ; 120.79,174.7 126.04,179.95 126.04,182.82 D4#3.1 ; 120.79,174.7 D2#8.1
  Bottom w0.61: v1(132.29,155.83) 131.19,156.93 131.19,160.73 v1(130.54,161.39)
Board_2-/nRST: length 18
  Top w0.406: R10#7.2 129.44,159.96 U1#9.10
  Bottom w0.406: v1(130.29,159.96) 124.04,166.21 124.04,170.14 124.8,170.9 J1#3.5
Board_2-/R: length 23.4
  Top w0.406: Q2#9.1 131.74,172.44 v1(132.79,171.39) ; U1#9.11 135.56,159.96 134.94,160.58 v1(134.94,160.85)
  Top w0.61: R2#6.2 131.61,175.31 131.74,175.19 Q2#9.1
  Bottom w0.406: v1(132.79,171.39) 132.79,167.14 133.48,166.44 135.73,166.44 136.59,165.58 136.59,163.69 136.23,163.33 135.48,163.33 134.79,162.64 134.79,161.16 134.94,161.01 v1(134.94,160.85)
Board_2-/SWC: length 10.3
  Top w0.406: U1#9.3 132.91,164.51 133.29,164.89 v1(133.29,165.64)